# Altium PCB HV_Module_2W.PCBDOC (part 2 of 3) (continued)
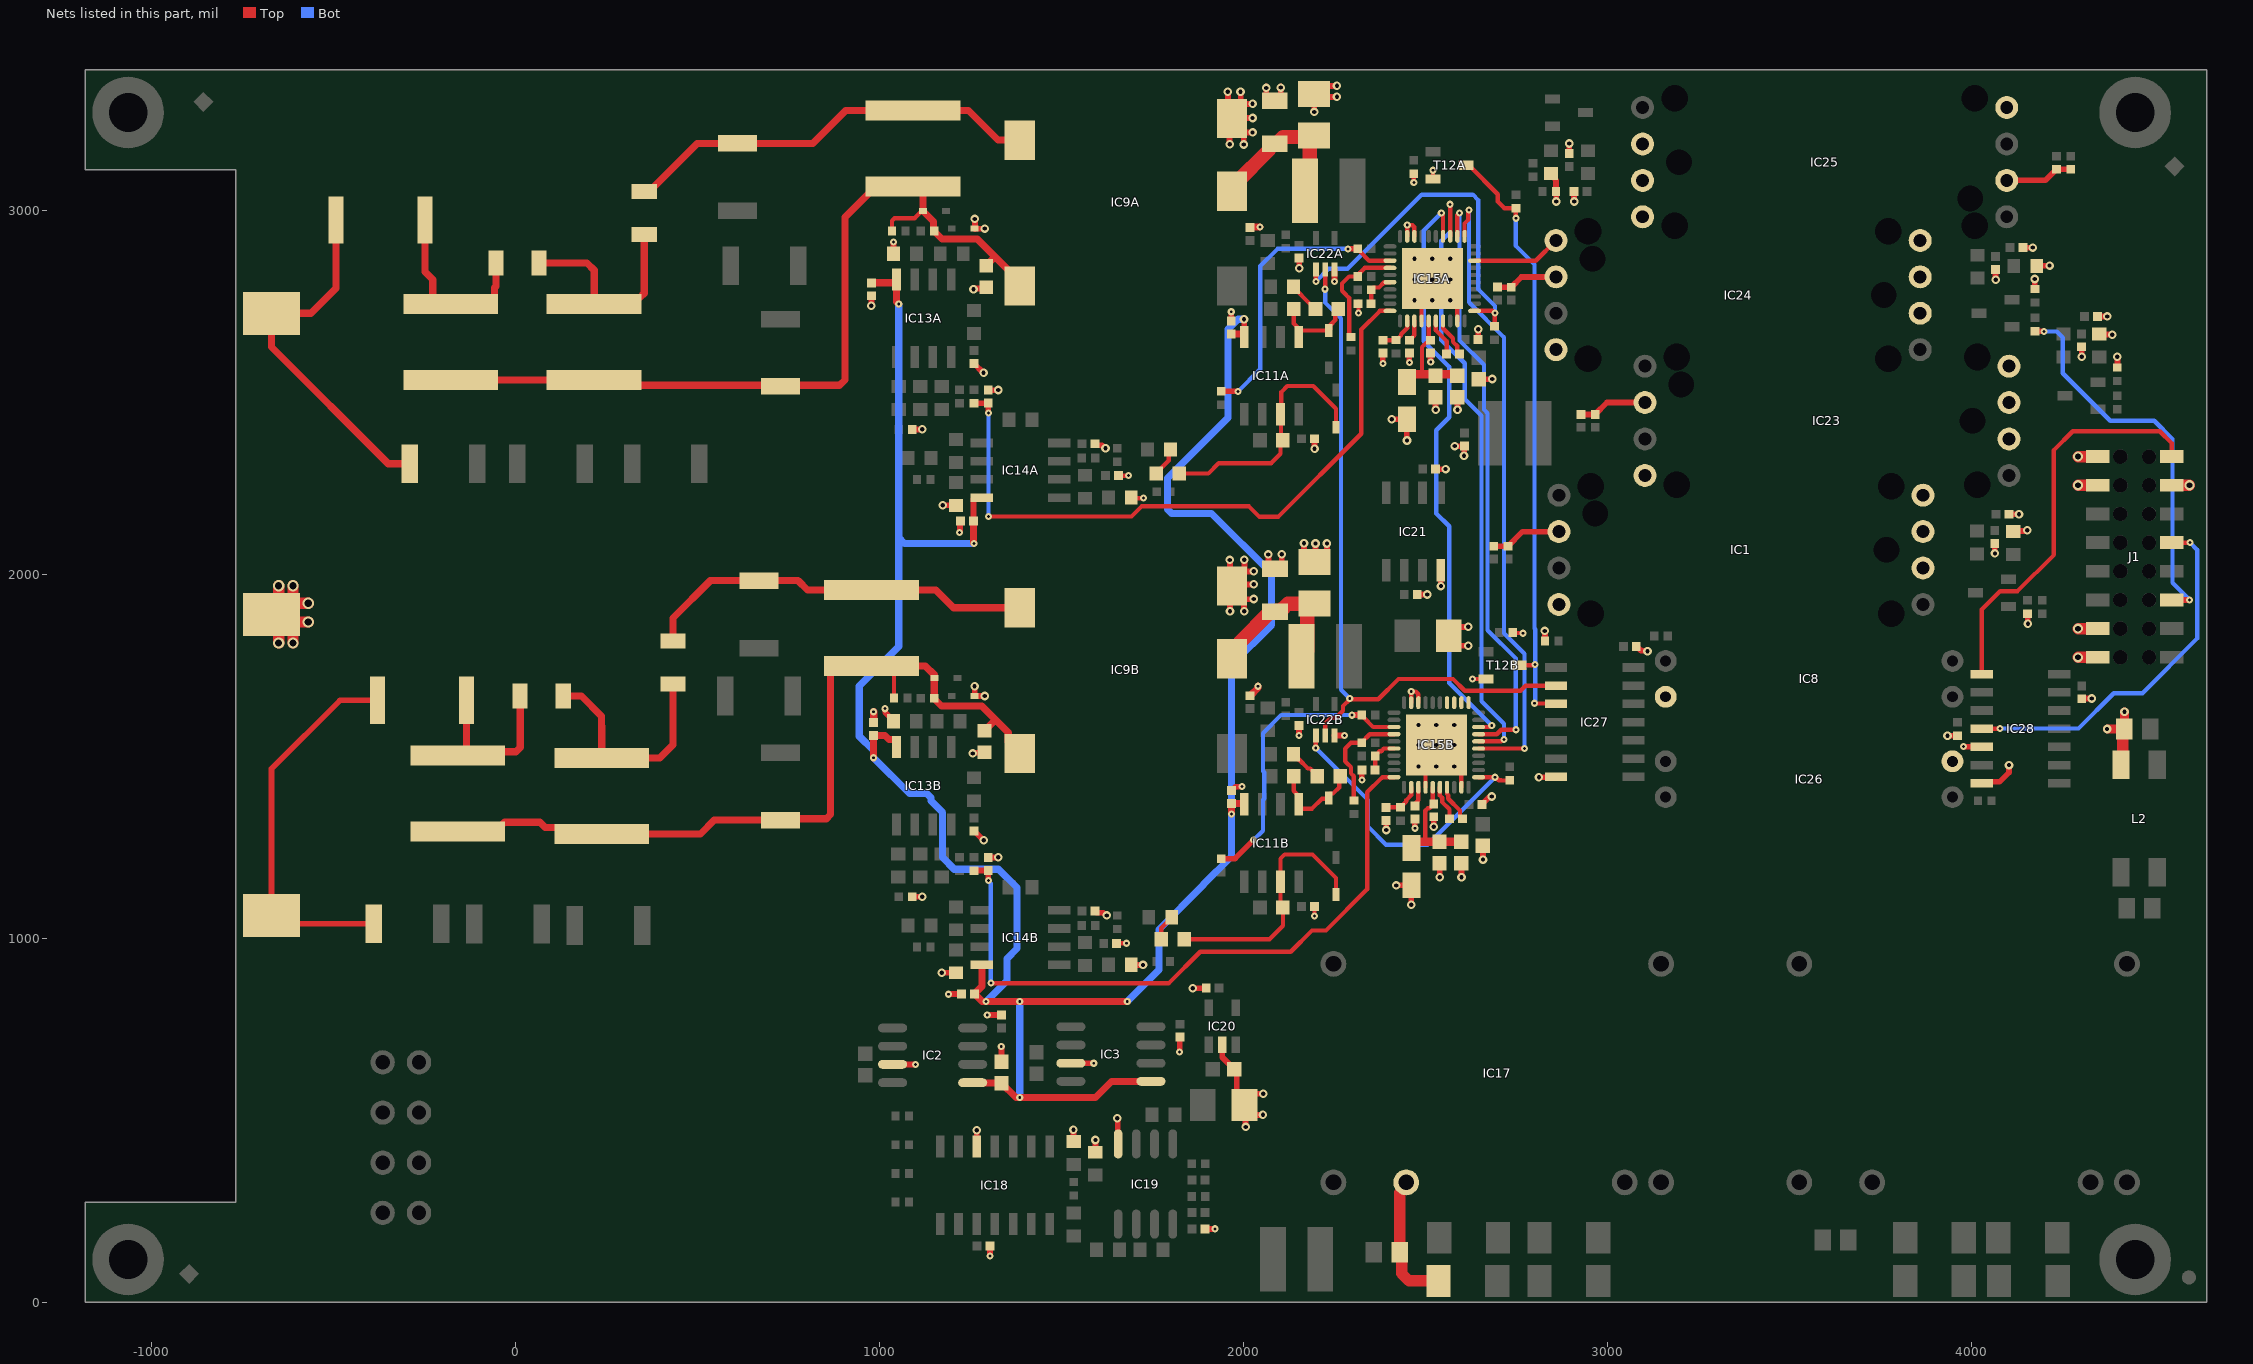
[diagram p4: the nets of this part, all layers, seen from the top]
## Part data (continued)
R33A R33B: library part R0603_30K_0.1%_0.063W_25PPM, "Resistor - 0.1%", Case=0603, Manufacturer=GENERIC, Manufacturer1 ComponentHeight=0.55mm, Manufacturer1 Example="TE CONNECTIVITY", Manufacturer1 Part Number=CPF0603B30KE1, Power=0.063W, Tolerance=±0.1%, Author="CERN DEM JMW", Component Type=Standard, CreateDate=28.07.2021, HelpURL=\\cern.ch\dfs\Applications\Altium\Datasheets\R0603_TYCO_CPF.pdf, LatestRevisionDate=28.07.2021, Manufacturer Part Number=R0603_30K_0.1%_0.063W_25PPM, Mounted=Yes, Part Description="Thin Film Chip Resistor", Part Number=R0603_30K_0.1%_0.063W_25PPM, Pin Count=2, PressFit=No, Sense=No, SMD=Yes, Socket=No, Status="Not Recommended", TC=±25ppm
R60A R60B R61A R61B R81A R81B: library part R1210_1M0_0.1%_1W_25ppm_HVCB2010BDE10M0, "RES, HV, 2010, 10 Mohm, 0.1%, 25 ppm, 1W", Case=2010, Manufacturer="Stackpole Electronics", Manufacturer1 ComponentHeight=0.65mm, Manufacturer Part Number=HVCB2010BDE10M0, Power=1W, Tolerance=±0.1%, Author=GK, Component Type=Standard, CreateDate=26.02.2015, HelpURL=\\cern.ch\dfs\Applications\Altium\Datasheets\R2010_WELWYN_LHVC.pdf, LatestRevisionDate=26.02.2015, Mounted=Yes, Part Description="Thick Film Chip Resistor", Part Number=R1210_1M0_0.1%_1W_25ppm_HVCB2010BDE10M0, Pin Count=2, PressFit=No, Sense=No, SMD=Yes, Socket=No, Status=None, TC=±25ppm/°C
R62A R62B R64A R64B R75A R75B R93A R93B R107 R108: library part R0402_10K_1%_0.0625W_100PPM, "Resistor - 1%", Case=0402, Manufacturer=GENERIC, Manufacturer1 ComponentHeight=0.4mm, Manufacturer1 Example="YAGEO PHYCOMP", Manufacturer1 Part Number=232270671003L, Power=0.0625W, Tolerance=±1%, Author="CERN DEM JLC", Component Type=Standard, HelpURL=\\cern.ch\dfs\Applications\Altium\Datasheets\R0402_Phycomp_RC0402.pdf, Manufacturer Part Number=R0402_10K_1%_0.0625W_100PPM, Mounted=Yes, Part Description="General Purpose Thick Film Chip Resistor", Part Number=R0402_10K_1%_0.0625W_100PPM, Pin Count=2, Sense=No, SMD=Yes, Socket=No, TC=±100ppm/°C
  R62A R62B R93A R93B: CreateDate=03.12.2007, LatestRevisionDate=17.10.2012, PressFit=No, Status="Not Recommended"
  R64A R64B R75A R75B R107 R108: CreateDate=2007-12-03, LatestRevisionDate=2012-10-17, Status="Not recommended"
R73A R73B: library part "R2512_100R_1%_1.5W_100PPM_VISHAY_CRCW-HP e3", "Resistor - 1%", Case=2512, Manufacturer="VISHAY DRALORIC", Manufacturer Part Number=CRCW2512100RFKEHHP, Power=1.5W, Tolerance=±1%, Voltage=500V, Author="CERN DEM JLC", Component Type=Standard, ComponentHeight=0.7mm, CreateDate=2013-05-21, HelpURL="\\cern.ch\dfs\Applications\Altium\Datasheets\R2512_VISHAY_CRCW-HP e3.pdf", LatestRevisionDate=2013-05-21, Mounted=Yes, Part Description="Pulse Proof, High Power Thick Film Chip Resistor", Part Number="R2512_100R_1%_1.5W_100PPM_VISHAY_CRCW-HP e3", Pin Count=2, Sense=No, SMD=Yes, Socket=No, Status=None, TC=±100ppm/°C
R74A R74B: library part R0603_1K_1%_0.1W_100PPM, "Resistor - 1%", Case=0603, Manufacturer=GENERIC, Manufacturer1 ComponentHeight=0.55mm, Manufacturer1 Example="NIC COMPONENT", Manufacturer1 Part Number=NRC06F1001TRF, Power=0.1W, Tolerance=±1%, Author="CERN DEM JLC", Component Type=Standard, CreateDate=03/12/2007, HelpURL=\\cern.ch\dfs\Applications\Altium\Datasheets\R0603_NIC_NRC.pdf, LatestRevisionDate=13/03/2008, Manufacturer Part Number=R0603_1K_1%_0.1W_100PPM, Mounted=Yes, Part Description="General Purpose Thick Film Chip Resistor", Part Number=R0603_1K_1%_0.1W_100PPM, Pin Count=2, PressFit=No, Sense=No, SMD=Yes, Socket=No, Status=Preferred, TC=±100ppm/°C
R79A R79B: library part R0603_7K5_1%_0.1W_100PPM, "Resistor - 1%", Case=0603, Manufacturer=GENERIC, Manufacturer1 ComponentHeight=0.55mm, Manufacturer1 Example="NIC COMPONENT", Manufacturer1 Part Number=NRC06F7501TRF, Power=0.1W, Tolerance=±1%, Author="CERN DEM JLC", Component Type=Standard, CreateDate=03.12.2007, HelpURL=\\cern.ch\dfs\Applications\Altium\Datasheets\R0603_NIC_NRC.pdf, LatestRevisionDate=13.03.2008, Manufacturer Part Number=R0603_7K5_1%_0.1W_100PPM, Mounted=Yes, Part Description="General Purpose Thick Film Chip Resistor", Part Number=R0603_7K5_1%_0.1W_100PPM, Pin Count=2, PressFit=No, Sense=No, SMD=Yes, Socket=No, Status=Preferred, TC=±100ppm/°C
R86A R86B R90A R90B: library part R0603_240K_0.1%_0.063W_10PPM, "Resistor - 0.1%", Case=0603, Manufacturer=GENERIC, Manufacturer1 ComponentHeight=0.5mm, Manufacturer1 Example="TYCO HOLSWORTHY", Manufacturer1 Part Number=RN73C1J241KBTDF, Power=0.063W, Tolerance=±0.1%, Author="CERN DEM BC", Component Type=Standard, CreateDate=28.10.2021, HelpURL=\\cern.ch\dfs\Applications\Altium\Datasheets\R0603_Tyco_RN73.pdf, LatestRevisionDate=28.10.2021, Manufacturer Part Number=R0603_240K_0.1%_0.063W_10PPM, Mounted=Yes, Part Description="Thin Film Chip Resistor", Part Number=R0603_240K_0.1%_0.063W_10PPM, Pin Count=2, PressFit=No, Sense=No, SMD=Yes, Socket=No, Status="Not Recommended", TC=±10ppm
T5 T6 T7 T8: "N-CHANNEL MOSFET WITH DIODE", Case=SOT23-3, Manufacturer="FAIRCHILD SEMICONDUCTOR", Author="CERN DEM JLC", Bonding=No, Component Type=Standard, ComponentHeight=1.3mm, CreateDate=20.08.2008, Device=2N7002, HelpURL=\\cern.ch\dfs\Applications\Altium\Datasheets\2N7002.pdf, LatestRevisionDate=07.04.2009, Manufacturer Part Number=2N7002, Mounted=Yes, PackageDescription="SOT23, 0.95mm Pitch; 3 Pin, 1.30mm W X 2.90mm L X 1.30mm H body, IPC Medium Density", Part Description="60V, 280mA, N-Channel Enhancement Mode Field Effect Transistor (FET)", Part Number=2N7002, Pin Count=3, PressFit=No, Sense=No, SMD=Yes, Socket=No
T12A T12B: "N-CHANNEL MOSFET WITH DIODE", Case=SOT23-3, Manufacturer="ON SEMICONDUCTOR", Author="CERN DEM JLC", Bonding=No, Component Type=Standard, ComponentHeight=1.11mm, CreateDate=23.03.2009, Device=BSS138LT1G, HelpURL=\\cern.ch\dfs\Applications\Altium\Datasheets\BSS138LT1G.pdf, LatestRevisionDate=23.03.2009, Manufacturer Part Number=BSS138LT1G, Mounted=Yes, PackageDescription="SOT23 3-Leads, Pitch 0.95mm - Body 1.4x3mm, IPC Medium Density", Part Description="50V 200mA N-Channel Enhancement Mode Field-Effect Transistor", Part Number=BSS138LT1G, Pin Count=3, PressFit=No, Sense=No, SMD=Yes, Socket=No

## Via types
v1: diameter 23.62, hole 11.81, Top to Bot, 172 vias
v2: diameter 19.68, hole 7.87, Top to Bot, 92 vias
v3: diameter 19.68, hole 7.87, Top to Bot, tented both sides, 31 vias
v4: diameter 27.56, hole 15.75, Top to Bot, 9 vias
v5: diameter 31.5, hole 19.68, Top to Bot, tented both sides, 6 vias

## Nets (pads, with @x,y where several pads share a name; then routed paths per layer and width w, separated by ;. In a path a pad name is that pad's centre, name@x,y a point inside that pad or via, vN(x,y) a via of type N, cw(c..) or ccw(c..) an arc to the next point about the centre after c; other vN are vias at no path point)
ADC_IA: C23A.2 IC15A.30 R94A.1 | length 1879.3
  Top w11.81: v2(1300.2,2158.46) 1692.46,2158.46 1720.3,2186.3 2015.16,2186.3 2043.99,2157.48 2095.17,2157.48 2323.61,2385.92 2323.61,2672.15 2374.53,2723.07 IC15A.30@2402.36,2723.07
  Top w15.75: R94A.1@1259.84,2469.26 1260.24,2469.65 1298.82,2469.65 C23A.2@1299.21,2470.05 1299.21,2443.04 v2(1299.51,2442.74)
  Bot w11.81: v2(1299.51,2442.74) 1299.85,2442.4 1299.85,2158.81 v2(1300.2,2158.46)
ADC_IB: C23B.2 IC15B.30 R94B.1 | length 1849.7
  Top w11.81: v2(1306.18,876.97) 1795.07,876.97 1881.21,963.11 2129.7,963.11 2188.25,1021.65 2226.38,1021.65 2339.88,1135.16 2339.88,1401.6 2377.37,1439.09 2378.14,1439.09 2381.56,1442.52 IC15B.30@2413.39,1442.52
  Top w15.75: R94B.1@1259.84,1185.8 1260.24,1186.19 1298.82,1186.19 C23B.2@1299.21,1186.58 1299.21,1159.57 v2(1299.51,1159.27)
  Bot w11.81: v2(1299.51,1159.27) 1299.51,1157.14 1306.18,1150.47 v2(1306.18,876.97)
CSN: J1.5 R99.2 | length 1046.4
  Top w15.75: R99.2@4173.23,2667.32 4173.65,2666.9 4198,2666.9 v2(4198.43,2666.48) ; J1.5@4570.87,1929.3 4597.88,1929.3 v2(4598.18,1929.6)
  Bot w11.81: v2(4198.43,2666.48) 4233.13,2666.48 4250,2649.61 4250,2551.74 4380.48,2421.26 4500.98,2421.26 4551.18,2371.06 4551.18,1976.59 v2(4598.18,1929.6)
CSN_ISOL: IC15A.8 IC24.8 | length 246.7
  Top w11.81: IC15A.8@2634.65,2860.86 2802.6,2860.86 IC24.8@2858.27,2916.54
CSN_ISOLB: IC15A.14 IC15B.8 | length 1638.7
  Top w11.81: v2(2543.31,2992.13) 2543.31,2990 2548.03,2985.27 IC15A.14@2548.03,2927.79 ; IC15B.8@2645.67,1580.31 2675.9,1580.31 2679.7,1584.11 v2(2681.83,1584.11)
  Bot w11.81: v2(2543.31,2992.13) 2495.08,2943.9 2495.08,2639.31 2564.99,2569.4 2564.99,2430.96 2529.53,2395.5 2529.53,2166.93 2564.99,2131.47 2564.99,1700.95 v2(2681.83,1584.11)
DAC_IA: IC15A.23 R27A.2 R58A.2 | length 806.6
  Top w11.81: R27A.2@2314.17,2893.7 2319.68,2888.19 2319.68,2886.15 2344.97,2860.86 IC15A.23@2402.36,2860.86
  Top w15.75: R58A.2@1938.98,2502.33 1939.23,2502.07 1984.62,2502.07 v2(1984.87,2501.82) ; v2(2286.86,2893.4) 2287.16,2893.7 R27A.2@2314.17,2893.7
  Bot w11.81: v2(1984.87,2501.82) 2046.26,2563.21 2046.26,2846.46 2093.21,2893.4 v2(2286.86,2893.4)
DAC_IB: IC15B.23 R27B.2 R58B.2 | length 812.5
  Top w11.81: R27B.2@2325.2,1613.15 2330.71,1607.64 2330.71,1605.6 2356,1580.31 IC15B.23@2413.39,1580.31
  Top w15.75: R58B.2@1938.98,1218.86 1976.87,1218.86 v2(2027.8,1269.79) ; v2(2297.89,1612.85) 2298.19,1613.15 R27B.2@2325.2,1613.15
  Bot w11.81: v2(2027.8,1269.79) 2053.36,1295.36 2053.36,1380.37 2056.7,1383.71 2056.7,1455.92 2053.36,1459.26 2053.36,1563.2 2103.43,1613.27 2297.48,1613.27 v2(2297.89,1612.85)
DAC_UA: IC15A.24 R25A.2 R82A.2 | length 301.2
  Top w11.81: R82A.2@2295.51,2651.51 2290.2,2656.81 2290.2,2758.26 2283.12,2765.35 2283.12,2765.85 2270.58,2778.38 2270.58,2798.3 2290.03,2817.75 R25A.2@2310.13,2817.75 ; R25A.2@2316.34,2821.49 2317.32,2821.49 2319.68,2823.86 2319.68,2827.79 2333.07,2841.18 IC15A.24@2402.36,2841.18
DAC_UB: IC15B.24 R25B.2 R82B.2 | length 303.8
  Top w11.81: R82B.2@2303.15,1378.35 2303.15,1445.21 2295.35,1453 2295.35,1470.23 2289.37,1476.22 2289.06,1476.22 2279.05,1486.22 2279.05,1520.79 2295.28,1537.01 R25B.2@2325.2,1537.01 ; R25B.2@2325.2,1537.99 2325.39,1537.99 2330.71,1543.31 2330.71,1544.29 2339.88,1553.46 2339.88,1553.73 2346.78,1560.63 IC15B.24@2413.39,1560.63
ENBLA: IC22A.2 IC22B.2 IC27.2 | length 1953
  Top w11.81: v2(2224.27,2782.74) 2224.41,2782.88 IC22A.2@2224.41,2836.61 ; IC22B.2@2224.41,1557.09 2224.41,1590.16 2239.11,1604.86 2253.15,1604.86 2273.52,1625.22 2273.52,1638.12 2291.73,1656.33 v2(2291.73,1658.46) 2293.24,1656.96 2297.76,1656.96 2298.22,1656.5 2370.02,1656.5 2425.72,1712.2 2575.59,1712.2 2607.65,1680.14 2760.75,1680.14 2774.31,1693.7 2811.27,1693.7 IC27.2@2858.27,1693.7
  Bot w11.81: v2(2224.27,2782.74) 2224.27,2746.32 2267.72,2702.87 2267.72,1682.48 v2(2291.73,1658.46)
ENBLn1: IC15A.1 IC22A.1 R75A.1 | length 1007.8
  Top w11.81: v2(2198.82,2803.74) IC22A.1@2198.82,2836.61 ; IC15A.1@2634.65,2723.07 2683.07,2723.07 2688.5,2717.63 v3(2690.64,2717.63) 2690.12,2717.11 2690.12,2681.67 R75A.1@2689.61,2681.15
  Bot w11.81: v2(2198.82,2803.74) 2233.66,2838.58 2285.79,2838.58 2489.53,3042.32 2629.92,3042.32 2644.39,3027.86 2644.39,2782.93 2690.64,2736.68 v3(2690.64,2717.63)
ENBLn2: IC15B.1 IC22B.1 R75B.1 | length 841.9
  Top w11.81: v2(2198.52,1523.1) 2198.82,1523.4 IC22B.1@2198.82,1557.09 ; IC15B.1@2645.67,1442.52 2690.34,1442.52 v3(2690.64,1442.22) 2692.77,1442.22 2701.01,1433.98 2707.79,1433.98 2708.16,1433.61 2724.86,1433.61 2726.35,1432.12 R75B.1@2726.35,1431.13
  Bot w11.81: v2(2198.52,1523.1) 2341.54,1380.09 2341.54,1306.83 2391.13,1257.24 2505.5,1257.24 2690.48,1442.22 v3(2690.64,1442.22)
EXT_CSN_ISOLB: IC15B.14
EXT_SCKI_ISOLA: IC15A.13 IC15B.6 | length 1710.8
  Top w11.81: v2(2566.93,3015.75) 2567.72,3014.96 IC15A.13@2567.72,2927.79 ; IC15B.6@2645.67,1540.94 2707.87,1540.94 2713.34,1546.42 v2(2715.47,1546.42)
  Bot w11.81: v2(2566.93,3015.75) 2566.93,2938.98 2543.31,2915.35 2543.31,2643.34 2607.54,2579.11 2607.54,2481.21 2653.54,2435.2 2653.54,1651.27 2715.47,1589.34 v2(2715.47,1546.42)
EXT_SCKI_ISOLB: IC15B.13
EXT_SDI_ISOLA: IC15A.12 IC15B.7 | length 1657.6
  Top w11.81: IC15A.12@2587.4,2927.79 2587.4,2986.22 v2(2593.31,2992.13) ; IC15B.7@2645.67,1560.63 2695.59,1560.63 2707.79,1572.83 v2(2748.03,1572.83)
  Bot w11.81: v2(2593.31,2992.13) 2593.31,2642.05 2660.35,2575.01 2660.35,2452.17 2670.35,2442.16 2670.35,1846.3 2748.03,1768.62 v2(2748.03,1572.83)
EXT_SDI_ISOLB: IC15B.12
EXT_SDO_ISOLA: IC15A.11 IC15B.5 | length 1743.3
  Top w11.81: IC15A.11@2607.09,2927.79 2607.09,2963.23 2617.59,2973.73 2617.59,2998.49 v2(2619.09,3000) ; IC15B.5@2645.67,1521.26 v2(2771.65,1521.26)
  Bot w11.81: v2(2619.09,3000) 2619.09,2746.71 2715.47,2650.33 2715.47,1837.81 2771.65,1781.63 v2@2771.65,1523.1
EXT_SDO_ISOLB: IC15B.11
GND: C1.1 C6.1 C9.1 C36.1 C49.2 C58.1 C60.1 C61.1 C63.2 C64.1 IC1.2 IC1.3 IC1.4 IC23.2 IC23.3 IC23.4 IC24.2 IC24.3 IC24.4 IC25.5 IC25.7 IC26.2 IC28.5 IC28.7 J1.2 J1.4 J1.13 J1.14 J1.16 L2.2 R3.1 R4.1 R24.1 R96.1 R97.1 R100.1 R101.1 | length 1212.8
  Top w15.75: v1(3933.32,1556) 3933.62,1556.3 R24.1@3960.63,1556.3 ; v2(3977.43,1526.57) 3977.82,1526.18 4027.17,1526.18 IC28.5@4027.56,1525.79 ; IC28.7@4027.56,1425.79 4031.5,1429.72 4076.38,1429.72 4102.36,1455.71 v1(4102.36,1475.79) ; C1.1@4062.99,2084.65 4063.29,2084.35 4063.29,2057.34 v1(4063.59,2057.04) ; C61.1@4064.96,2836.61 4065.26,2836.32 4065.26,2809.31 v1(4065.56,2809.01) ; IC25.7@4096.06,3081.5 4201.57,3081.5 C63.2@4232.28,3112.2 C9.1@4271.65,3112.2 ; C60.1@4102.36,2164.66 4129.37,2164.66 v1(4129.67,2164.96) ; R4.1@4121.08,2120.38 4122.59,2118.87 4151.25,2118.87 v1(4152.76,2120.38) ; C58.1@4140.3,2896.7 4167.31,2896.7 v1(4167.61,2897) ; R3.1@4153.54,1891.73 4153.84,1891.43 4153.84,1864.42 v1(4154.14,1864.13) ; v1(4172.63,2810.68) 4172.93,2810.38 4172.93,2783.37 R100.1@4173.23,2783.07 ; R101.1@4186.32,2847.18 4213.33,2847.18 v1(4213.63,2847.47) ; C6.1@4301.37,2624.57 4301.67,2624.27 4301.67,2597.26 v1(4301.97,2596.96) ; C49.2@4301.97,1658.07 4302.26,1658.37 4329.28,1658.37 v1(4329.57,1658.66) ; C64.1@4344.74,2707.64 4371.75,2707.64 v1(4372.05,2707.93) ; R97.1@4351.79,2666.48 4359.81,2658.46 4384.84,2658.46 v1(4385.83,2657.48) ; v1(4399.6,2597.31) 4399.9,2597.01 4399.9,2570 R96.1@4400.19,2569.7
  Top w23.62: v1(4371.62,1574.8) C36.1@4419.29,1574.8 v1(4419.29,1622.47)
  Top w31.5: v4(4291.77,1771.82) J1.2@4346.03,1771.82 ; v4(4291.77,1850.56) J1.4@4346.03,1850.56 ; v4(4291.77,2244.26) J1.14@4346.03,2244.26 ; v4(4291.77,2323) J1.16@4346.03,2323 ; L2.2@4409.45,1476.38 4414.37,1481.3 4414.37,1569.88 C36.1@4419.29,1574.8 ; J1.13@4548.79,2244.26 v4(4597.88,2244.26)
GNDp: C2.2 C3.2 C4A.1 C4B.1 C5A.1 C5B.1 C7.2 C8.1 C10.1 C11A.1 C11B.1 C12A.1 C12B.1 C14A.2 C14B.2 C15A.1 C15B.1 C16A.1 C16B.1 C17A.1 C17B.1 C18A.1 C18B.1 C19A.1 C19B.1 C21A.1 C21B.1 C22A.1 C22B.1 C23A.1 C23B.1 C24A.1 C24B.1 C26A.2 C26B.2 C29A.1 C29B.1 C39.1 C43.2 C47.1 C48A.1 C48B.1 C50.2 C51.1 C52.1 C53.2 C54.1 C55.1 C56.2 C57.1 C59.1 C62.1 C65.1 C66.1 C67A.1 C67B.1 C68.2 C70.1 C71.2 C73A.1 C73B.1 C74A.1 C74B.1 C75A.1 C75B.1 C76A.1 C76B.1 D9A.1 D9B.1 IC1.5 IC1.7 IC2.3 IC3.3 IC8.2 IC9A.1 IC9B.1 IC15A.18 IC15A.19 IC15A.34 IC15A.39 IC15A.41 IC15B.18 IC15B.19 IC15B.34 IC15B.39 IC15B.41 IC17.16 IC18.12 IC19.4 IC20.2 IC21.4 IC22A.3 IC22B.3 IC23.5 IC23.7 IC24.5 IC24.7 IC25.2 IC25.3 IC25.4 IC27.7 J3.1 R21.1 R28A.2 R28B.2 R59.1 R64A.1 R64B.1 R68.1 R83A.1 R83B.1 R92A.1 R92B.1 R93A.1 R93B.1 R104.1 R105.1 T12A.2 T12B.2 | length 5842.6
  Top w11.81: C16B.1@1651.57,986.22 v2@1678.59,986.22 ; C16A.1@1657.07,2271.26 1658.1,2270.24 1684.16,2270.24 v2(1684.62,2270.7) ; R28A.2@1697.78,2209.91 1698.81,2208.88 1724.87,2208.88 v2(1725.34,2209.35) ; v3@2194.73,1057.82 2194.88,1057.98 C29B.1@2194.88,1087.6 C29B.1@2194.88,1088.58 ; v3(2315.69,2717.63) 2315.84,2717.78 C5A.1@2315.84,2748.39 ; IC15A.19@2449.61,2927.79 2449.61,2958.4 v3(2449.76,2958.55) 2464.06,2958.55 2469.29,2953.33 IC15A.18@2469.29,2927.79 ; IC15B.19@2460.63,1647.24 2460.63,1677.85 v3(2460.78,1678) 2460.93,1677.85 2472.85,1677.85 2480.31,1670.39 IC15B.18@2480.31,1647.24 ; R64A.1@2467.72,3099.55 R64A.1@2467.72,3099.55 2467.76,3075.53 v2(2467.79,3075.49) ; C11B.1@2470.47,1327.95 C11B.1@2470.62,1327.8 ; v2@2470.62,1303.75 v2@2470.77,1303.6 ; IC15A.34@2488.98,2695.51 2488.98,2782.12 IC15A.41@2518.5,2811.65 2587.4,2742.75 IC15A.39@2587.4,2695.51 ; IC15B.34@2500,1414.96 2500,1501.57 v1(2529.53,1531.1) 2598.43,1462.2 IC15B.39@2598.43,1414.96 ; T12A.2@2520.47,3085.43 v2@2520.47,3109.41 ; v2@2625.38,1712.2 T12B.2@2666.26,1712.2 ; R64B.1@2739.67,1839.57 2740.54,1838.7 2766.69,1838.7 v2(2767.56,1837.83)
  Top w15.75: v1(977.4,2737.45) 978.35,2738.4 C75B.1@978.35,2759.84 ; v3(1015.55,1630.71) 1016.3,1629.96 1016.3,1620.51 1038.39,1598.43 R92B.1@1038.39,1596.46 R92B.1@1045.54,1589.3 ; IC2.3@1036.4,653.82 v3(1099.41,653.82) ; v2(1038.6,2912.48) 1038.89,2912.18 R92A.1@1038.89,2885.17 ; R93B.1@1090.16,1114.19 1117.17,1114.19 v1(1117.47,1114.49) ; R93A.1@1090.16,2397.65 1117.17,2397.65 v1(1117.47,2397.95) ; v1(1171.51,905.21) 1171.81,905.51 R83B.1@1198.82,905.51 ; v1(1173.85,2189.19) 1174.14,2189.49 R83A.1@1201.16,2189.49 ; v3(1189.52,846.46) 1190.09,847.03 1225.51,847.03 C73B.1@1226.08,847.6 ; v3(1220.47,2114.86) 1221.23,2115.62 1221.23,2143.71 C74B.1@1223.18,2145.67 ; v1(1256.4,1507.87) 1257.91,1509.38 1287.18,1509.38 C76B.1@1288.82,1511.02 ; v1(1258.61,2782.88) 1260.12,2784.38 1289.47,2784.38 C76A.1@1293.31,2788.22 ; C21B.1@1259.84,1295.31 1285.36,1269.79 v1(1286.6,1269.79) ; C21A.1@1259.84,2578.78 1285.36,2553.26 v1(1286.21,2553.26) ; v1(1261.51,1692.66) 1261.81,1692.37 D9B.1@1261.81,1665.35 1288.82,1665.35 v1(1289.12,1665.65) ; D9A.1@1261.81,2948.82 1288.82,2948.82 v1(1289.12,2949.12) ; v1(1262.15,2975.6) 1262.45,2975.31 D9A.1@1262.45,2948.3 ; v1(1267.15,473.16) 1267.45,472.86 IC18.12@1267.45,445.85 ; v3(1296.26,789.27) C71.2@1335.62,789.26 ; C23B.1@1299.21,1222.02 1326.22,1222.02 v1(1326.52,1222.31) ; C23A.1@1299.21,2505.48 1326.22,2505.48 v1(1326.52,2505.78) ; C51.1@1303.67,154.72 1303.67,127.71 v2(1303.96,127.42) ; v3(1334.85,703) 1335.24,702.6 1335.24,661.7 C70.1@1335.63,661.31 ; IC3.3@1525.94,657.12 v3(1588.95,657.12) ; v1(1532.99,474.35) 1533.29,474.05 R59.1@1533.29,447.04 ; C22B.1@1591.94,1074.8 1596.27,1070.47 1614.57,1070.47 1622.15,1062.9 v1(1624.28,1062.9) ; C22A.1@1591.94,2358.27 1596.27,2353.94 1611,2353.94 1618.87,2346.06 v1(1621,2346.06) ; v1(1593.42,446.15) 1593.71,445.85 R68.1@1593.71,418.84 ; v1(1653.41,505.95) 1654.62,504.74 1654.62,436.57 IC19.4@1655.83,435.35 ; v2@1678.59,986.22 v2(1678.88,986.52) ; R28B.2@1692.15,936.8 1692.15,936.56 1701.64,927.07 1724.08,927.07 v1(1724.18,926.97) ; v3(1824.39,687.44) 1824.78,687.83 1824.78,728.38 C68.2@1825.17,728.77 ; v1@1860.94,863.26 C66.1@1887.95,863.26 ; C52.1@1894.22,201.97 1921.23,201.97 v2(1921.53,202.27) ; IC20.2@1941.48,707.67 1941.48,673.68 C47.1@1974.41,640.75 1981.86,633.3 1981.86,562.95 C56.2@2002.49,542.32 ; IC9A.1@1957.47,3297.41 v1@1957.47,3324.43 ; v1@1961.72,3180.71 IC9A.1@1961.72,3207.72 ; v1@1962.71,1898.26 IC9B.1@1962.71,1925.27 ; IC9B.1@1962.98,2011.85 v1@1962.98,2038.86 ; C73A.1@1966.29,2695.43 v3(1966.29,2720.76) ; C74A.1@1967.38,1405.69 1978.26,1416.57 1995.56,1416.57 v3(1996.32,1417.32) ; IC9A.1@1992.13,3297.7 v1@1992.13,3324.71 ; IC9A.1@1997.6,3212.92 2024.61,3212.92 v1(2024.91,3213.22) ; IC9A.1@1998.2,3291.45 2025.21,3291.45 v1@2025.5,3291.75 ; IC9A.1@1999.9,3252.53 2026.91,3252.53 v1@2027.21,3252.82 ; IC9B.1@2000.49,2007.52 2027.5,2007.52 v1(2027.8,2007.82) ; IC9B.1@2000.76,1931.49 2027.77,1931.49 v1@2028.07,1931.79 ; v1@2000.82,3180.42 IC9A.1@2000.82,3207.43 ; IC9B.1@2001.03,1971.81 2028.04,1971.81 v1@2028.34,1972.1 ; v1@2001.67,1898.53 IC9B.1@2001.67,1925.54 ; v1(2001.79,2039.57) 2002.49,2038.87 IC9B.1@2002.49,2012.66 ; C56.2@2005.74,509.5 2005.74,482.49 v1(2006.04,482.19) ; C56.2@2026.05,515 v1@2053.06,515 ; C56.2@2026.75,573.27 v1@2053.76,573.27 ; v1@2062.4,3339.27 2062.7,3338.97 C4A.1@2062.7,3311.96 ; v1(2068.36,2054.27) 2068.66,2053.97 C4B.1@2068.66,2026.96 ; v1@2102.15,3340.31 2102.44,3340.01 C4A.1@2102.44,3313 ; v1(2104.81,2054.77) 2105.1,2054.47 C4B.1@2105.1,2027.46 ; C48B.1@2152.56,1584.65 2152.56,1557.63 v2(2152.86,1557.34) ; C48A.1@2152.78,2867.81 2152.78,2840.8 v1(2153.08,2840.51) ; v1(2166.16,2084.64) 2166.46,2084.35 C26B.2@2166.46,2057.34 ; C26A.2@2194.37,3296.75 2194.37,3269.74 v1(2194.67,3269.45) ; C29A.1@2194.88,2372.05 2194.88,2345.04 v1(2195.18,2344.74) ; v1(2197.63,2084.37) 2197.93,2084.07 C26B.2@2197.93,2057.06 ; v1(2229.1,2084.37) 2229.4,2084.07 C26B.2@2229.4,2057.06 ; C26A.2@2229.28,3340.99 2256.29,3340.99 v1(2256.59,3341.29) ; C26A.2@2232.04,3310.58 2259.05,3310.58 v1@2259.35,3310.88 ; v2(2249.9,2803.6) IC22A.3@2249.9,2836.83 ; IC22B.3@2250,1557.09 2277.01,1557.09 v2(2277.31,1557.38) ; C5B.1@2324.8,1462.2 2324.8,1435.19 v2(2325.1,1434.9) ; v2(2382.68,2578.78) C12A.1@2382.68,2606.73 ; C12B.1@2391.73,1324.02 2392.03,1323.72 2392.03,1297.8 v1(2392.33,1297.5) ; v1(2407.22,2425.15) 2407.52,2425.45 2445.42,2425.45 C14A.2@2445.72,2425.75 ; v1(2419.62,1145.33) 2419.92,1145.63 2457.82,1145.63 C14B.2@2458.12,1145.93 ; C14A.2@2448.32,2405.76 2448.62,2405.45 2448.62,2367.56 v1(2448.93,2367.25) ; C11A.1@2455.48,2609.13 2455.48,2582.11 v2(2455.77,2581.82) ; C14B.2@2460.33,1130.88 2460.63,1130.58 2460.63,1092.68 v1(2460.93,1092.38) ; v2@2470.62,1303.75 C11B.1@2470.62,1327.8 ; C54.1@2477.06,1943.96 2504.07,1943.96 v1(2504.37,1944.26) ; C18A.1@2513.83,2609.43 2513.83,2582.42 v2@2514.13,2582.12 ; C18B.1@2522.39,1333.86 2522.39,1306.85 v1(2522.68,1306.55) ; C17A.1@2527.06,2496.99 C17A.1@2527.36,2496.69 ; C17A.1@2527.36,2489.8 2527.36,2451.9 v1(2527.67,2451.6) ; C55.1@2527.64,2288.45 2554.65,2288.45 v1(2554.95,2288.75) ; C17B.1@2538.78,1193.04 2538.78,1166.03 v1@2539.07,1165.74 ; IC21.4@2541.94,1994.64 2541.94,1967.63 v1(2542.23,1967.33) ; v1@2581.14,2351.2 C57.1@2606.29,2351.2 ; C15A.1@2587.1,2496.99 C15A.1@2587.4,2496.69 ; C15A.1@2587.4,2489.8 2587.4,2451.9 v1(2587.7,2451.6) ; C53.2@2590.16,1855.25 2617.17,1855.25 v1(2617.47,1855.55) ; C53.2@2592.34,1803.57 2619.35,1803.57 v1@2619.65,1803.87 ; C15B.1@2598.12,1206.6 C15B.1@2598.43,1206.3 2598.43,1168.4 v1(2598.73,1168.1) ; v1(2605.67,2325.43) 2606.29,2326.05 C57.1@2606.29,2351.2 ; C57.1@2606.91,2351.82 C57.1@2606.29,2351.2 ; v1(2644.39,2672.98) 2644.68,2672.68 C24A.1@2644.68,2645.67 ; C19A.1@2646.46,2535.05 2646.96,2535.56 2682.56,2535.56 v1(2683.07,2536.06) ; C24B.1@2654.52,1367.42 2675.08,1387.98 2680.32,1387.98 v1(2681.83,1389.48) ; C19B.1@2657.18,1254.81 C19B.1@2657.48,1254.5 2657.48,1216.61 v1(2657.78,1216.3) ; C59.1@2687.18,2076.77 C2.2@2726.38,2076.77 2766.54,2116.93 IC1.7@2866.14,2116.93 ; C8.1@2698.07,2788.39 2698.25,2788.21 2735.06,2788.21 C7.2@2735.24,2788.03 2763.07,2815.87 2857.6,2815.87 IC24.7@2858.27,2816.54 ; v1(2811.27,1442.22) 2811.57,1442.52 IC27.7@2838.58,1442.52 ; v1(2827.66,1844.24) 2827.95,1843.94 R21.1@2827.95,1816.93 ; R105.1@2844.49,3100 2846.46,3100 2856.3,3090.16 2856.3,3082.9 2858.27,3080.93 R104.1@2858.27,3051.18 2858.56,3050.88 2858.56,3023.87 v1(2858.86,3023.57) ; v1(2894.39,3182.82) 2894.68,3182.52 C65.1@2894.68,3155.51 ; C62.1@2907.48,3051.18 2907.78,3050.88 2907.78,3023.87 v1(2908.07,3023.57) ; C10.1@2927.2,2438.23 2927.57,2438.6 2965.77,2438.6 C3.2@2966.14,2438.98 2998.43,2471.26 IC23.7@3102.36,2471.26 ; C50.2@3078.74,1801.18 3083.07,1796.85 3085.15,1796.85 3092.3,1789.71 3107.93,1789.71 v1(3109.42,1788.22)
  Top w20: C75A.1@984.25,1592.52 v3(984.25,1622.31) ; C67B.1@2018.31,1666.14 2039.89,1687.73 v3(2039.89,1692.37) ; C67A.1@2018.31,2951.77 2019.86,2953.33 v3(2045.28,2953.33)
  Top w31.5: J3.1@-669.29,1889.76 J3.1@-639.76,1889.76 ; v5(-649.61,1811.02) v5(-649.61,1968.5) ; J3.1@-647.06,1868.74 v5(-568.32,1868.74) ; J3.1@-647.06,1920.42 v5(-568.32,1920.42) ; v5(-610.24,1811.02) v5(-610.24,1968.5) ; C39.1@2429.13,137.8 2429.13,301.55 2446.85,319.27 IC17.16@2446.85,329.92 ; C39.1@2434.05,137.8 2434.05,79.72 2454.72,59.06 C43.2@2535.43,59.06
  other v1: 2053.36,515.3 2054.06,573.57 1860.64,862.96 2539.07,1168.1 2480.62,1472.05 2529.53,1472.05 2578.44,1472.05 2480.62,1531.1 2578.74,1531.1 2480.62,1585.99 2529.53,1585.99 2578.74,1585.99 2617.47,1803.87 1963.01,1897.96 2001.97,1898.23 2027.8,1931.79 2027.8,1972.1 1962.68,2039.16 2580.52,2351.82 2469.59,2752.6 2518.5,2752.6 2567.41,2752.6 2469.59,2809.57 2518.5,2809.57 2567.72,2809.57 2469.59,2866.54 2518.5,2866.54 2567.72,2866.54 1962.02,3180.41 2001.12,3180.12 2024.91,3252.82 2024.91,3291.75 2256.59,3310.88 1957.17,3324.72 1991.83,3325.01 2062.4,3335.33 2102.15,3336.37
  other v2: 2470.77,1302.17 2629.32,1712.2 2514.13,2583.1 2520.43,3109.45
  other v3: 2194.73,1061.76
HV_EN: IC28.1 J1.15 | length 1120.4
  Top w11.81: IC28.1@4027.56,1725.79 4027.56,1902.8 4078.34,1953.58 4125.83,1953.58 4225.39,2053.15 4225.39,2340.75 4277.36,2392.72 4516.37,2392.72 4548.79,2360.3 J1.15@4548.79,2323
HV_OUTA: J7.1 R61A.2 R73A.2 | length 998.1
  Top w19.68: R73A.2@-492.13,2972.44 -492.13,2785.43 -561.02,2716.54 J7.1@-669.29,2716.54 -669.29,2624.02 -348.43,2303.15 R61A.2@-289.37,2303.15
HV_OUTB: J4.1 R61B.2 R73B.2 | length 1062.6
  Top w15.75: R61B.2@-387.8,1040.35 -646.65,1040.35 J4.1@-669.29,1062.99 -669.29,1465.55 -481.3,1653.54 R73B.2@-377.95,1653.54
INT0: IC28.4 J1.9 | length 1015.9
  Top w11.81: IC28.4@4027.56,1575.79 4076.59,1575.79 v2(4077.22,1576.41) ; J1.9@4548.79,2086.78 v2(4599.11,2086.78)
  Bot w11.81: v2(4077.22,1576.41) 4292.95,1576.41 4389.76,1673.23 4468.93,1673.23 4618.92,1823.22 4618.92,2066.97 v2(4599.11,2086.78)
INT0_ISOLn: IC27.3 R107.1 T12A.3 T12B.3 | length 1684.7
  Top w11.81: T12A.3@2611.02,3122.83 2618.9,3122.83 2698.07,3043.66 2698.07,3023.57 2716.28,3005.37 R107.1@2748.03,3005.37 v2@2748.03,2981.5 ; T12B.3@2756.81,1749.61 2798.5,1749.61 v2(2800.92,1752.03) ; v2(2799.21,1645.67) 2800.2,1644.68 2857.28,1644.68 IC27.3@2858.27,1643.7
  Bot w11.81: v2@2748.03,2981.5 2748.03,2901.57 2799.21,2850.39 2799.21,1850.39 2800.92,1848.69 v2(2800.92,1752.03) 2800.92,1647.38 v2(2799.21,1645.67)
  other v2: 2748.03,2977.56
N3V3p: C70.2 C73A.2 C73B.2 C74A.2 C74B.2 C75A.2 C75B.2 IC2.5 IC3.5 IC11A.4 IC11B.4 IC13A.4 IC13B.4 IC14A.4 IC14B.4 | length 6675.4
  Top w15.75: C74B.2@1258.61,2145.67 1258.61,2206.25 1262.8,2210.43 IC14A.4@1281.5,2210.43 ; v1(2001.47,2699.99) 2001.77,2699.69 IC11A.4@2001.77,2672.68
  Top w19.68: C75B.2@978.35,2800.2 1045.08,2800.2 IC13A.4@1047.05,2802.17 ; v3(984.25,1496.06) C75A.2@984.25,1557.09 ; IC13A.4@1047.05,2809.05 IC13A.4@1047.05,2802.17 ; v3(1053.15,2742.13) 1047.05,2748.23 IC13A.4@1047.05,2802.17 ; IC2.5@1256.4,603.82 1257.18,603.04 1334.85,603.04 C70.2@1335.63,602.26 1374.94,562.95 v3(1385.63,562.95) 1593.66,562.95 1637.83,607.12 IC3.5@1745.94,607.12 ; C74B.2@1258.61,2145.67 1258.61,2085.57 v3(1259.55,2084.64) ; IC14B.4@1281.5,926.97 1281.5,867.58 C73B.2@1261.51,847.6 1282.34,826.77 v3(1293.31,826.77) v3(1385.63,826.77) v3(1680.72,826.77) ; C73A.2@1966.29,2660 1999.8,2660 2001.77,2658.03 IC11A.4@2001.77,2651.57 ; v3(1967.38,1341.69) C74A.2@1967.38,1370.26 1999.8,1370.26 2001.77,1368.29 IC11B.4@2001.77,1368.11
  Top w20: C75A.2@984.25,1557.09 1015.55,1557.09 1026.54,1546.1 1045.24,1546.1 1047.05,1544.29 IC13B.4@1047.05,1525.59
  Bot w19.68: v3(1053.15,2742.13) 1053.15,2100.31 ; v3(1259.55,2084.64) 1068.82,2084.64 1053.15,2100.31 ; v3(1293.31,826.77) 1351.01,884.48 1351.01,944.88 1377.95,971.82 1377.95,1139.59 1327.58,1189.96 1205.9,1189.96 1173.85,1222.02 1173.85,1345.84 1141.73,1377.95 1141.73,1386.11 1130.2,1397.64 1082.68,1397.64 v3(984.25,1496.06) 984.25,1515.75 944.88,1555.12 944.88,1692.91 1053.15,1801.18 1053.15,2100.31 ; v3(1385.63,562.95) v3(1385.63,826.77) ; v3(1680.72,826.77) 1767.74,913.79 1767.74,1024.56 1889.79,1146.62 1889.79,1147.49 1967.38,1225.08 v3(1967.38,1341.69) 1967.38,1750.85 2077.34,1860.81 2077.34,2001.71 1912.12,2166.93 1802.87,2166.93 1791.34,2178.46 1791.34,2263.78 1957.17,2429.61 1957.17,2672.59 1984.87,2700.29 2001.18,2700.29 v1(2001.47,2699.99)
NetC4A_2: C4A.2 C26A.1 IC9A.2 L1A.2 | length 461.3
  Top w39.37: IC9A.2@1968.5,3051.34 1968.5,3064.88 1977.25,3073.62 1978.39,3073.62 2069.88,3165.12 2069.88,3179.17 2072.83,3182.12 C4A.2@2085.63,3182.12 2090.73,3182.12 2109.4,3200.79 C26A.1@2189.96,3200.79 ; L1A.2@2169.29,3053.15 2181.59,3065.45 2181.59,3192.42 C26A.1@2189.96,3200.79 ; C26A.1@2193.9,3204.72 C26A.1@2189.96,3200.79
NetC4B_2: C4B.2 C26B.1 IC9B.2 L1B.2 | length 442.3
  Top w39.37: IC9B.2@1968.5,1767.87 1990.35,1789.72 1990.35,1813.22 2073.82,1896.69 C4B.2@2086.61,1896.69 2089.57,1899.64 2102.36,1899.64 2122.02,1919.29 2175.2,1919.29 C26B.1@2194.88,1919.29 ; L1B.2@2159.45,1774.61 2175.2,1790.35 2175.2,1903.54 C26B.1@2179.13,1903.54
NetC5A_2: C5A.2 IC15A.26 R22A.1 | length 90.3
  Top w11.81: C5A.2@2350.39,2742.75 2350.79,2743.15 2350.79,2780.75 R22A.1@2351.18,2781.14 ; R22A.1@2356.69,2787.44 2372.09,2787.44 2386.46,2801.81 IC15A.26@2402.36,2801.81
NetC5B_2: C5B.2 IC15B.26 R22B.1 | length 90.9
  Top w11.81: C5B.2@2361.42,1462.2 2361.81,1462.6 2361.81,1501.18 R22B.1@2362.2,1501.57 ; R22B.1@2367.72,1507.87 2373.74,1513.9 2378.14,1513.9 2385.5,1521.26 IC15B.26@2413.39,1521.26
NetC11A_2: C11A.2 IC15A.33 | length 58.9
  Top w11.81: C11A.2@2455.51,2642.36 2469.29,2656.14 IC15A.33@2469.29,2695.51
NetC11B_2: C11B.2 IC15B.33 | length 49.7
  Top w11.81: C11B.2@2470.47,1369.29 2480.31,1379.13 IC15B.33@2480.31,1414.96
NetC12A_2: C12A.2 IC15A.32 R20A.1 | length 102.2
  Top w11.81: C12A.2@2382.68,2642.36 2383.07,2642.75 2418.7,2642.75 R20A.1@2419.09,2643.15 2419.88,2643.15 2432.4,2655.67 2432.4,2659.08 2449.61,2676.29 IC15A.32@2449.61,2695.51
NetC12B_2: C12B.2 IC15B.32 R20B.1 | length 98.5
  Top w11.81: C12B.2@2391.73,1359.45 2392.13,1359.84 2430.71,1359.84 R20B.1@2431.1,1360.24 ; R20B.1@2437.4,1365.75 2437.4,1366.54 2447.36,1376.5 2447.36,1380.11 2460.63,1393.38 IC15B.32@2460.63,1414.96
NetC13A_1: C13A.1 IC15A.36 | length 102.8
  Top w11.81: IC15A.36@2528.35,2695.51 2528.35,2669.52 2557.87,2640 C13A.1@2557.87,2604.96
NetC13A_2: C13A.2 IC15A.37 | length 109.3
  Top w11.81: IC15A.37@2548.03,2695.51 2548.03,2675.52 2575.59,2647.96 2575.59,2637.96 2587.01,2626.54 2587.01,2611.26 C13A.2@2593.31,2604.96
NetC13B_1: C13B.1 IC15B.36 | length 97.5
  Top w11.81: IC15B.36@2539.37,1414.96 2539.37,1392.14 2545.5,1386.01 2545.5,1374.67 2565.6,1354.57 C13B.1@2565.6,1328.34
NetC13B_2: C13B.2 IC15B.37 | length 104
  Top w11.81: IC15B.37@2559.06,1414.96 2559.06,1396.23 2562.31,1392.98 2562.31,1383.6 2594.74,1351.18 2594.74,1334.63 C13B.2@2601.03,1328.34
NetC14A_1: C14A.1 C15A.2 C17A.2 C18A.2 IC15A.35 | length 312.9
  Top w11.81: 2490.47,2548.86 2490.47,2623.65 2502.88,2636.06 2507.28,2636.06 C18A.2@2513.58,2642.36 2508.66,2647.28 IC15A.35@2508.66,2695.51
  Top w23.62: C14A.1@2448.62,2528.11 2448.62,2536.06 2461.42,2548.86 2490.47,2548.86 2527.36,2548.86 C15A.2@2587.4,2548.86
NetC14B_1: C14B.1 C15B.2 C17B.2 C18B.2 IC15B.35 | length 327.6
  Top w11.81: C14B.1@2460.84,1248.37 2472.85,1260.38 2496.25,1260.38 2498.82,1262.95 2498.82,1334.51 2499.28,1334.97 2499.28,1350.58 2505.67,1356.97 2510.06,1356.97 C18B.2@2522.39,1369.29 2519.69,1371.99 IC15B.35@2519.69,1414.96
  Top w23.62: C14B.1@2480.31,1265.35 2498.82,1265.35 2539.37,1265.35 C15B.2@2598.43,1265.35
NetC20A_1: C20A.1 C45A.1 D8A.1 IC11A.7 | length 706.3
  Top w11.81: C20A.1@1823.2,2276.57 1903.54,2276.57 1931.74,2304.78 2075.84,2304.78 2101.77,2330.71 2101.77,2371.59 2103.28,2373.1 IC11A.7@2103.28,2449.28 ; IC11A.7@2101.77,2450.79 2104.03,2453.05 2104.03,2500.43 2120.34,2516.74 2191.49,2516.74 2253.94,2454.3 D8A.1@2253.94,2403.44
  Top w15.75: IC11A.7@2101.77,2450.79 IC11A.7@2103.28,2449.28
NetC20A_2: C20A.2 R87A.1 | length 82.1
  Top w11.81: C20A.2@1760.21,2276.57 1760.21,2277.56 1794.68,2312.04 1794.68,2337.97 R87A.1@1799.23,2342.52
NetC20B_1: C20B.1 C45B.1 D8B.1 IC11B.7 | length 702.7
  Top w11.81: C20B.1@1837.33,997.43 2071.25,997.43 2108.27,1034.45 C45B.1@2108.27,1084.65 2101.77,1091.14 2101.77,1167.32 2101.77,1218.98 2113,1230.21 2189.38,1230.21 2253.94,1165.65 D8B.1@2253.94,1119.97
NetC20B_2: C20B.2 R87B.1 | length 71.1
  Top w11.81: C20B.2@1774.34,998.41 1774.34,1028.46 1789.92,1044.04 1791.07,1044.04 1802.88,1055.86 R87B.1@1802.88,1057
NetC25A_1: C25A.1 C27A.1 C28A.1 C76A.2 D1A.1 IC9A.4 R7A.1 R63A.2 R89A.2 | length 2388.3
  Top w11.81: R89A.2@1034.65,2942.91 1034.65,2970.44 1041.56,2977.36 1096.85,2977.36 D1A.1@1115.16,2995.67 ; R63A.2@1150.39,2942.13 R63A.2@1150.39,2942.91
  Top w19.68: C28A.1@-177.17,2533.46 C27A.1@216.54,2533.46 231.02,2518.98 725.12,2518.98 R7A.1@728.35,2515.75 731.58,2518.98 890.9,2518.98 905.51,2533.59 905.51,2980.31 990.16,3064.96 C25A.1@1102.36,3064.96 ; C25A.1@1092.52,3064.96 C25A.1@1102.36,3064.96 ; R63A.2@1150.39,2942.13 1171.96,2920.56 1268.81,2920.56 1314.76,2874.61 ; R63A.2@1150.39,2942.91 1148.82,2944.49 1148.82,2968.7 1120.08,2997.44 D1A.1@1120.08,2998.03 1120.08,3047.24 C25A.1@1102.36,3064.96 ; C76A.2@1293.31,2847.28 1314.76,2868.74 1314.76,2874.61 ; IC9A.4@1385.63,2791.34 1385.63,2803.74 1314.76,2874.61
NetC25A_2: C25A.2 IC9A.3 R9A.2 R29A.1 | length 1157.5
  Top w19.68: R29A.1@354.33,3051.18 368.11,3051.18 500,3183.07 R9A.2@610.24,3183.07 817.25,3183.07 907.8,3273.62 C25A.2@1092.52,3273.62 1244.73,3273.62 1326.1,3192.26 1384.71,3192.26 IC9A.3@1385.63,3191.34
NetC25B_1: C25B.1 C27B.1 C28B.1 C76B.2 D1B.1 IC9B.4 R7B.1 R63B.2 R89B.2 | length 2422.9
  Top w11.81: C25B.1@887.71,1748.03 C25B.1@962.6,1748.03 ; C25B.1@977.4,1738.44 C25B.1@989.09,1737.29 ; C25B.1@978.35,1748.03 C25B.1@989.09,1737.29 ; C25B.1@1031.43,1748.03 1040.48,1738.98 C25B.1@1040.48,1732.23 ; R89B.2@1040.48,1660.35 C25B.1@1040.48,1732.23 ; C25B.1@989.09,1737.29 C25B.1@1040.48,1732.23
  Top w19.68: C28B.1@-157.48,1293.31 -55.12,1293.31 -29.53,1318.9 68.01,1318.9 82.53,1304.38 219.59,1304.38 C27B.1@237.3,1286.66 508.54,1286.66 546.68,1324.8 724.67,1324.8 728.35,1328.48 854.61,1328.48 866.14,1340.01 866.14,1730.31 883.86,1748.03 962.6,1748.03 C25B.1@978.35,1748.03 1031.43,1748.03 1040.48,1748.03 1126.22,1748.03 1150.59,1723.66 1150.59,1715.55 D1B.1@1151.57,1714.57 ; R63B.2@1150.39,1658.66 1171.06,1637.99 1281.34,1637.99 1317.64,1601.69 ; R63B.2@1150.58,1659.63 D1B.1@1150.58,1709.89 ; C76B.2@1288.82,1570.08 1317.64,1598.9 1317.64,1601.69 ; IC9B.4@1385.63,1507.87 1353.94,1539.57 1353.94,1565.4 1317.64,1601.69
NetC25B_2: C25B.2 IC9B.3 R9B.2 R29B.1 | length 1088.8
  Top w19.68: R29B.1@433.07,1816.93 433.07,1879.9 535.45,1982.28 R9B.2@669.29,1982.28 777.06,1982.28 802.65,1956.69 C25B.2@978.35,1956.69 1154.69,1956.69 1203.51,1907.87 IC9B.3@1385.63,1907.87
NetC27A_2: C27A.2 R29A.2 R32A.1 | length 571.7
  Top w19.68: R32A.1@64.96,2854.33 197.34,2854.33 217.11,2834.56 217.11,2759.84 C27A.2@234.82,2742.13 ; C27A.2@216.54,2742.13 C27A.2@234.82,2742.13 ; R29A.2@354.33,2933.07 354.33,2771.37 342.8,2759.84 252.54,2759.84 C27A.2@234.82,2742.13
NetC27B_2: C27B.2 R29B.2 R32B.1 | length 654.3
  Top w19.68: R32B.1@131.89,1665.35 182.09,1665.35 237.3,1610.14 237.3,1583 237.77,1582.54 237.77,1513.04 255.49,1495.32 C27B.2@281.14,1495.32 ; C27B.2@237.3,1495.32 C27B.2@281.14,1495.32 ; R29B.2@433.07,1698.82 433.07,1531.64 396.75,1495.32 C27B.2@281.14,1495.32
NetC28A_2: C28A.2 R32A.2 R73A.1 | length 501.7
  Top w19.68: R73A.1@-248.03,2972.44 -248.03,2830.71 -226.38,2809.06 -226.38,2759.84 -208.66,2742.13 -74.8,2742.13 -57.09,2759.84 -57.09,2786.42 -53.15,2790.35 R32A.2@-53.15,2854.33
NetC28B_2: C28B.2 R32B.2 R73B.1 | length 501.4
  Top w19.68: C28B.2@-146.93,1512.52 C28B.2@-157.48,1501.97 ; R73B.1@-133.86,1653.54 -133.86,1598.61 -133.86,1519.69 -143.98,1509.56 -151.57,1501.97 C28B.2@-157.48,1501.97 ; R32B.2@13.78,1665.35 13.78,1524.05 2.25,1512.52 -133.86,1512.52 -144.41,1501.97 C28B.2@-157.48,1501.97
NetC30A_1: C30A.1 C31A.1 D3A.1 IC11A.1 | length 245.5
  Top w11.81: C31A.1@2137.8,2728.35 2137.8,2688.43 IC11A.1@2151.77,2674.46 ; IC11A.1@2151.77,2639.76 2151.77,2669.35 D3A.1@2234.25,2669.35 2238.19,2673.29 2238.19,2683.8 2252.25,2697.86 2252.25,2720.76 C30A.1@2262.76,2731.26
NetC30A_2: C30A.2 R77A.1 | length 89.5
  Top w11.81: R77A.1@2137.8,2788.94 2137.8,2786.97 2182.64,2742.13 2199.8,2742.13 C30A.2@2204.72,2737.2
NetC30B_1: C30B.1 C31B.1 D3B.1 IC11B.1 | length 267.4
  Top w11.81: C31B.1@2137.8,1444.88 2137.8,1404.97 2151.77,1390.99 2151.77,1356.3 2188.25,1356.3 2215.55,1383.6 2231.96,1383.6 D3B.1@2234.25,1385.89 2234.25,1393.76 2238.19,1397.7 2246.06,1397.7 2262.76,1414.4 C30B.1@2262.76,1447.8
NetC30B_2: C30B.2 R77B.1 | length 90.5
  Top w11.81: R77B.1@2137.8,1505.48 2137.8,1503.51 2149.61,1491.7 2151.57,1491.7 2176.74,1466.54 2183.04,1466.54 2189.96,1459.62 2189.96,1458.66 2195.87,1452.76 C30B.2@2204.72,1452.76